# KiCad board Engine.kicad_pcb
title: Fets & Crosses Engine; date: 2022-02-07; rev: v1.1; company: Philipp Schilk
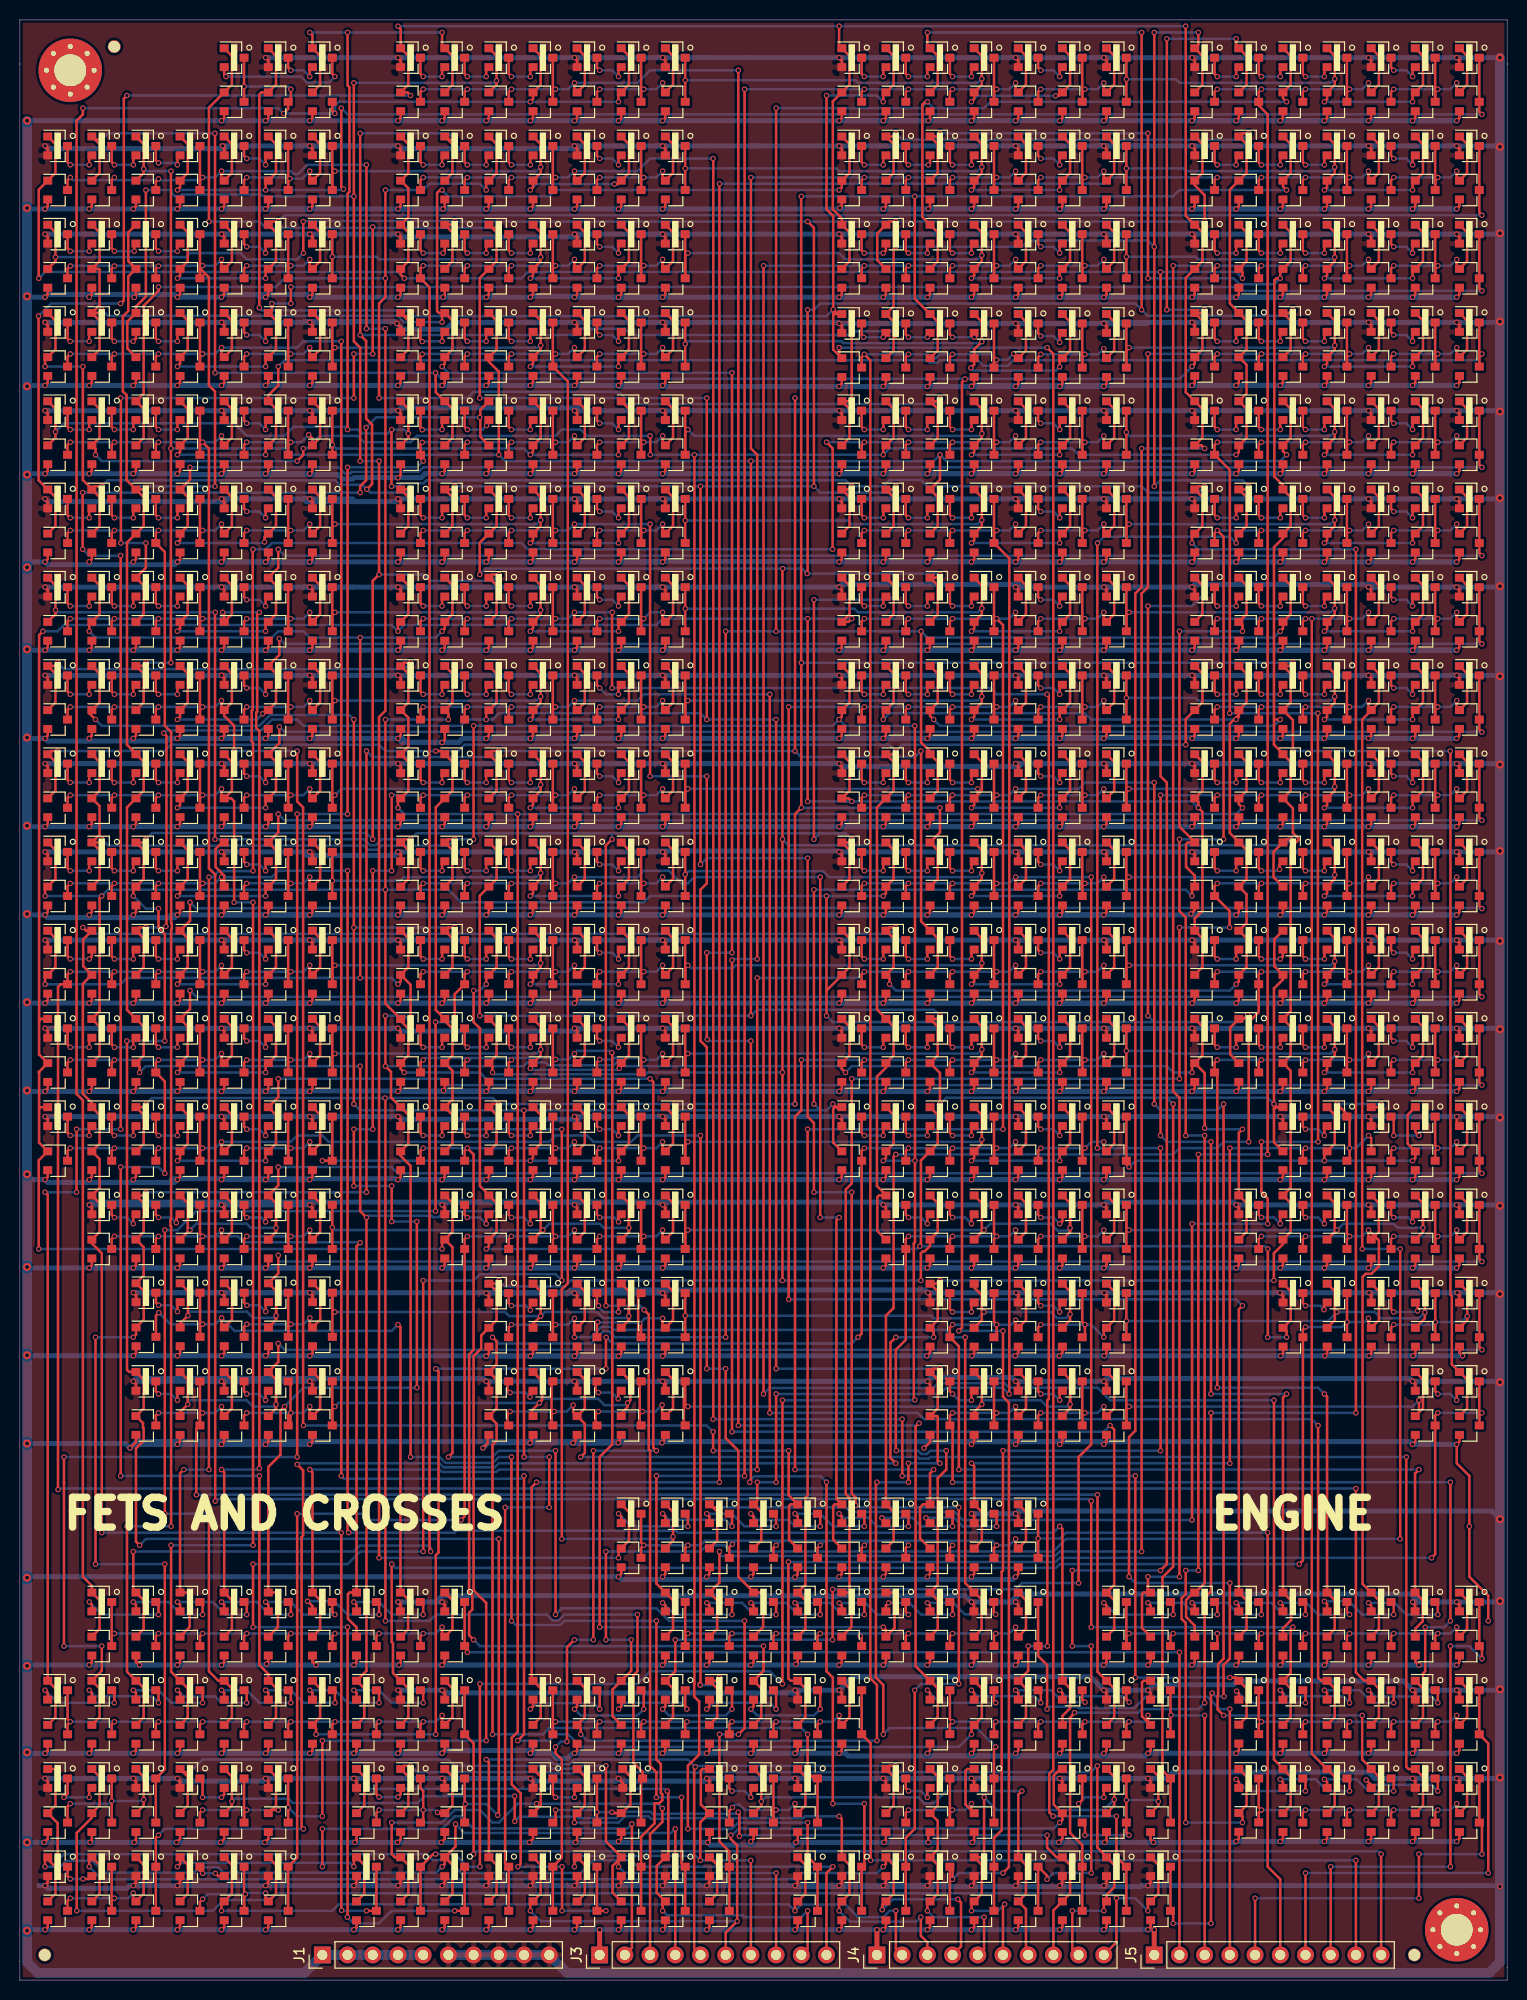
[diagram p0: board, top side]
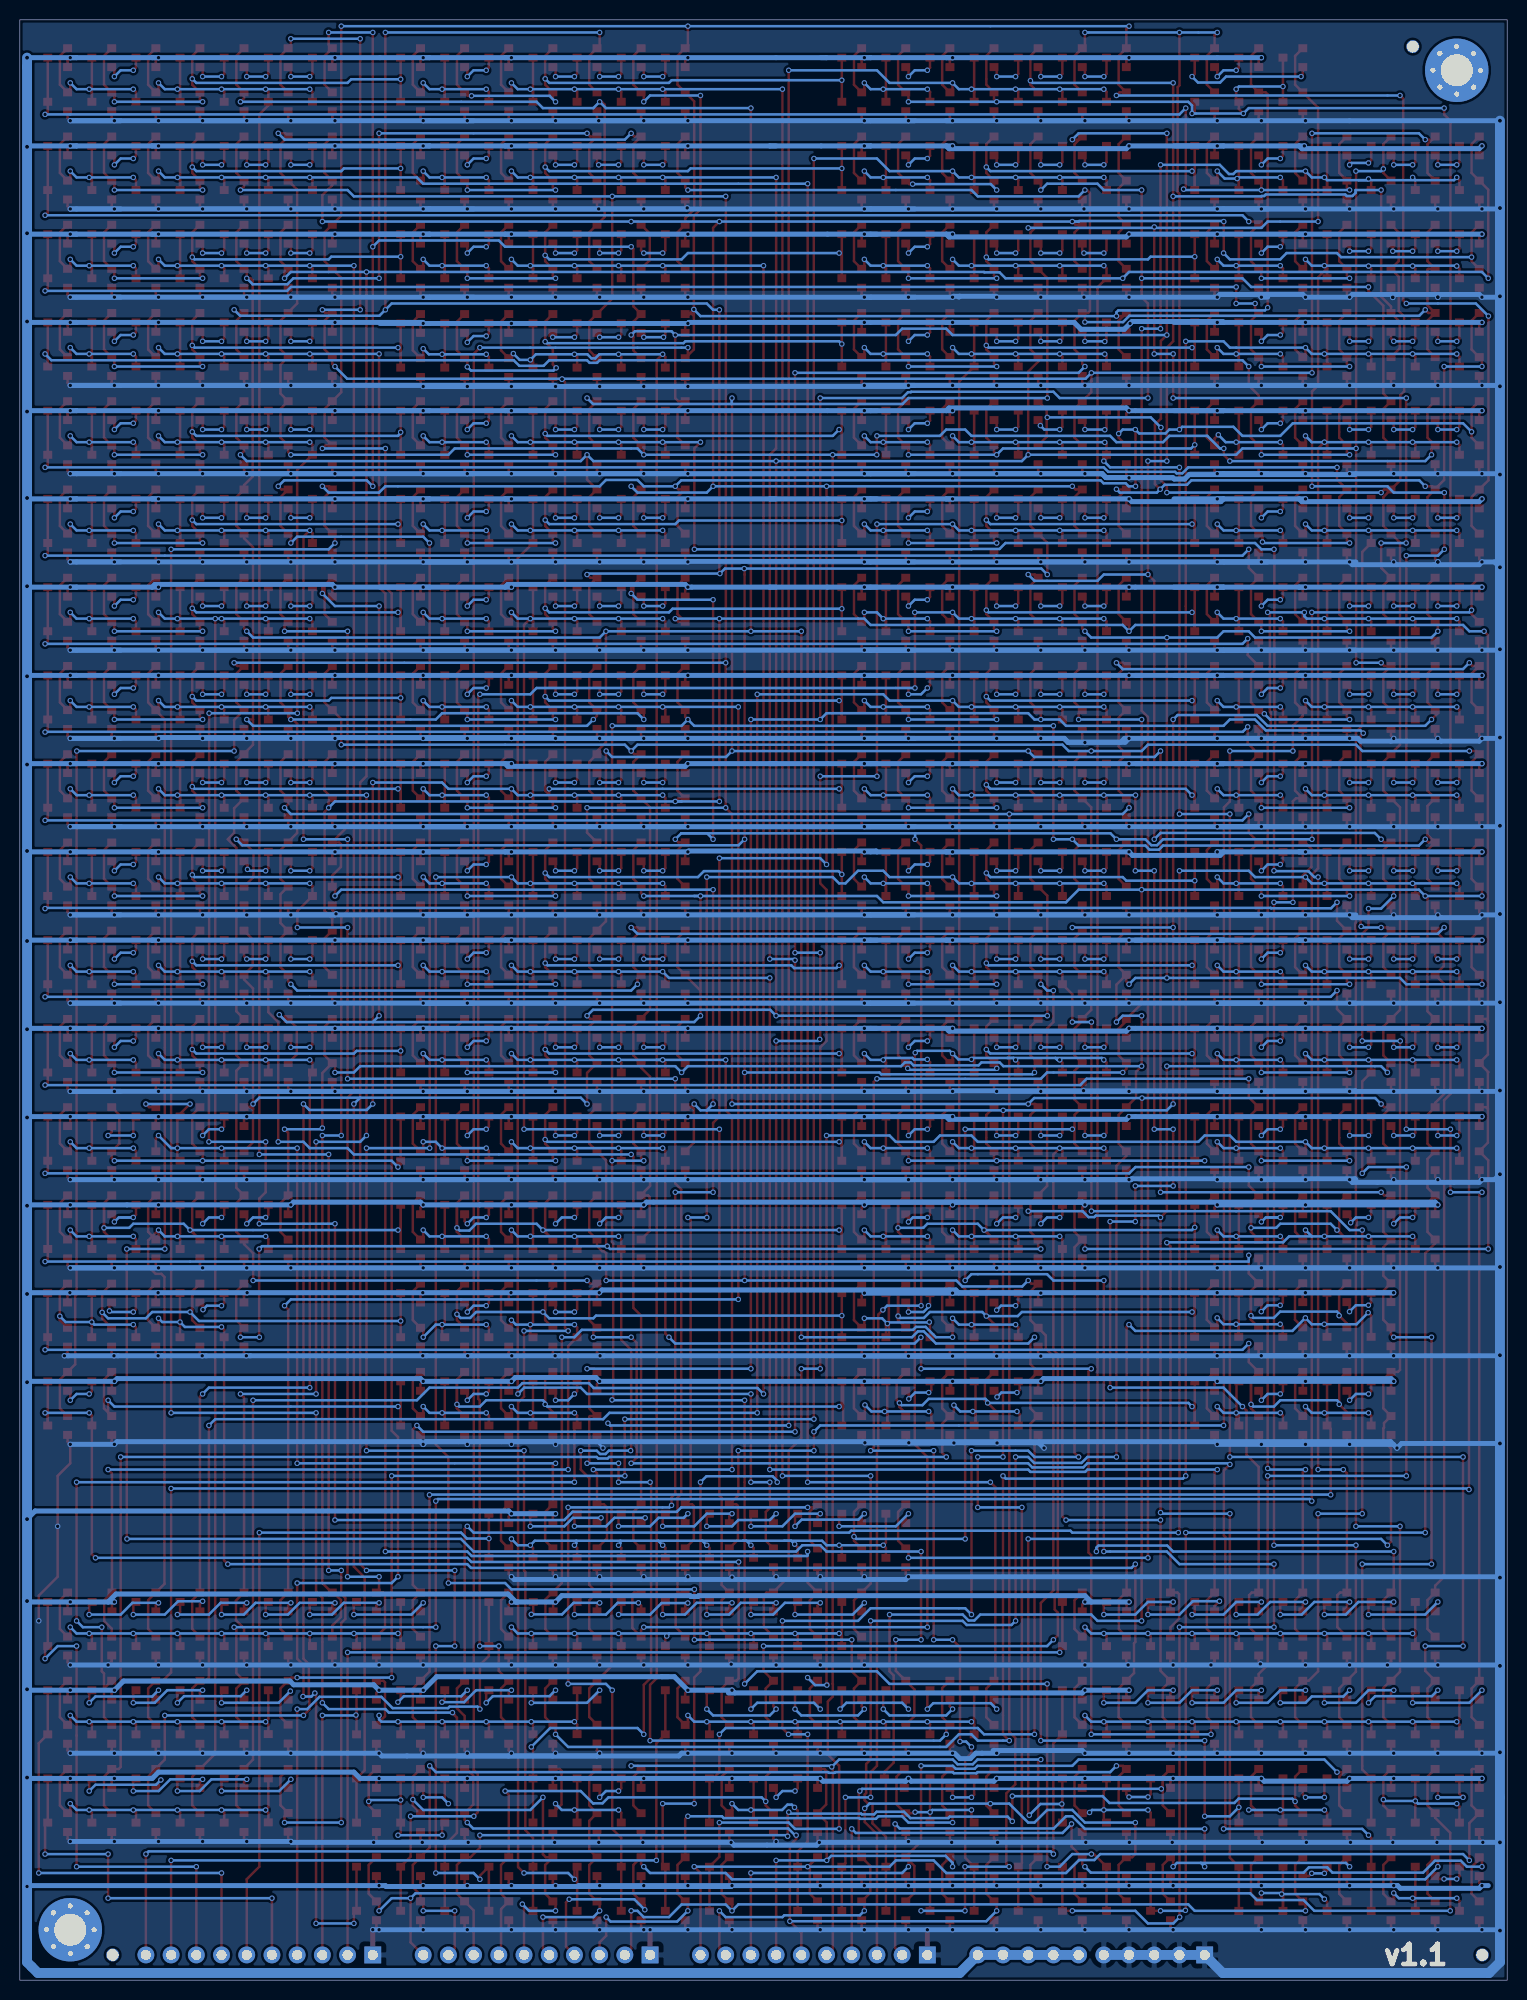
[diagram p1: board, bottom side, seen from below]

Outline 149.86 x 197.48 mm; copper layers: Top, Bottom. Coordinates in mm from the lower left corner of the outline.
Outline path: 0,197.48 0,0 149.86,0 149.86,197.48 0,197.48

## Placement (name value [footprint] x y rotation side)
H1  MountingHole  [MountingHole_3.2mm_M3_Pad_Via]  144.78 5.08 0 top
H2  MountingHole  [MountingHole_3.2mm_M3_Pad_Via]  5.08 192.41 0 top
H3  Tooling Hole  [jlcpcb_tooling_hole]  140.51 2.54 0 top
H4  Tooling Hole  [jlcpcb_tooling_hole]  2.51 2.54 0 top
H5  Tooling Hole  [jlcpcb_tooling_hole]  9.51 194.79 0 top
J1  Power  [PinHeader_1x10_P2.54mm_Vertical]  30.48 2.54 90 top
J3  P1  [PinHeader_1x10_P2.54mm_Vertical]  58.42 2.54 90 top
J4  P2  [PinHeader_1x10_P2.54mm_Vertical]  86.36 2.54 90 top
J5  Move  [PinHeader_1x10_P2.54mm_Vertical]  114.3 2.54 90 top
Q1  BSS84  [SOT-23-P]  70.48 11.43 0 top
Q2  2N7002  [SOT-23-N]  70.48 6.98 0 top
Q3  BSS84  [SOT-23-P]  66.04 11.43 0 top
Q4  2N7002  [SOT-23-N]  66.04 6.98 0 top
Q5  BSS84  [SOT-23-P]  61.59 11.43 0 top
Q6  2N7002  [SOT-23-N]  61.59 6.98 0 top
Q7  BSS84  [SOT-23-P]  57.15 11.43 0 top
Q8  2N7002  [SOT-23-N]  57.15 6.98 0 top
Q9  BSS84  [SOT-23-P]  52.7 11.43 0 top
Q10  2N7002  [SOT-23-N]  52.7 6.98 0 top
Q11  BSS84  [SOT-23-P]  48.26 11.43 0 top
Q12  2N7002  [SOT-23-N]  48.26 6.98 0 top
Q13  BSS84  [SOT-23-P]  43.81 11.43 0 top
Q14  2N7002  [SOT-23-N]  43.81 6.98 0 top
Q15  BSS84  [SOT-23-P]  39.37 11.43 0 top
Q16  2N7002  [SOT-23-N]  39.37 6.98 0 top
Q17  BSS84  [SOT-23-P]  34.92 11.43 0 top
Q18  2N7002  [SOT-23-N]  34.92 6.98 0 top
Q19  BSS84  [SOT-23-P]  114.94 11.43 0 top
Q20  2N7002  [SOT-23-N]  114.94 6.98 0 top
Q21  BSS84  [SOT-23-P]  110.49 11.43 0 top
Q22  2N7002  [SOT-23-N]  110.49 6.98 0 top
Q23  BSS84  [SOT-23-P]  106.05 11.43 0 top
Q24  2N7002  [SOT-23-N]  106.05 6.98 0 top
Q25  BSS84  [SOT-23-P]  101.6 11.43 0 top
Q26  2N7002  [SOT-23-N]  101.6 6.98 0 top
Q27  BSS84  [SOT-23-P]  97.16 11.43 0 top
Q28  2N7002  [SOT-23-N]  97.16 6.98 0 top
Q29  BSS84  [SOT-23-P]  92.71 11.43 0 top
Q30  2N7002  [SOT-23-N]  92.71 6.98 0 top
Q31  BSS84  [SOT-23-P]  88.27 11.43 0 top
Q32  2N7002  [SOT-23-N]  88.27 6.98 0 top
Q33  BSS84  [SOT-23-P]  83.82 11.43 0 top
Q34  2N7002  [SOT-23-N]  83.82 6.98 0 top
Q35  BSS84  [SOT-23-P]  79.38 11.43 0 top
Q36  2N7002  [SOT-23-N]  79.38 6.98 0 top
Q37  BSS84  [SOT-23-P]  12.7 20.32 0 top
Q38  2N7002  [SOT-23-N]  12.7 15.88 0 top
Q39  2N7002  [SOT-23-N]  3.81 15.88 0 top
Q40  BSS84  [SOT-23-P]  3.81 20.32 0 top
Q41  BSS84  [SOT-23-P]  8.26 20.32 0 top
Q42  2N7002  [SOT-23-N]  8.26 15.88 0 top
Q43  BSS84  [SOT-23-P]  43.81 20.32 0 top
Q44  2N7002  [SOT-23-N]  43.81 15.88 0 top
Q45  2N7002  [SOT-23-N]  34.92 15.88 0 top
Q46  BSS84  [SOT-23-P]  34.92 20.32 0 top
Q47  BSS84  [SOT-23-P]  39.37 20.32 0 top
Q48  2N7002  [SOT-23-N]  39.37 15.88 0 top
Q49  BSS84  [SOT-23-P]  26.03 20.32 0 top
Q50  2N7002  [SOT-23-N]  26.03 15.88 0 top
Q51  2N7002  [SOT-23-N]  17.14 15.88 0 top
Q52  BSS84  [SOT-23-P]  17.14 20.32 0 top
Q53  BSS84  [SOT-23-P]  21.59 20.32 0 top
Q54  2N7002  [SOT-23-N]  21.59 15.88 0 top
Q55  BSS84  [SOT-23-P]  79.38 20.32 0 top
Q56  2N7002  [SOT-23-N]  79.38 15.88 0 top
Q57  2N7002  [SOT-23-N]  70.48 15.88 0 top
Q58  BSS84  [SOT-23-P]  70.48 20.32 0 top
Q59  BSS84  [SOT-23-P]  74.93 20.32 0 top
Q60  2N7002  [SOT-23-N]  74.93 15.88 0 top
Q61  BSS84  [SOT-23-P]  114.94 20.32 0 top
Q62  2N7002  [SOT-23-N]  114.94 15.88 0 top
Q63  2N7002  [SOT-23-N]  106.05 15.88 0 top
Q64  BSS84  [SOT-23-P]  106.05 20.32 0 top
Q65  BSS84  [SOT-23-P]  110.49 20.32 0 top
Q66  2N7002  [SOT-23-N]  110.49 15.88 0 top
Q67  BSS84  [SOT-23-P]  97.16 20.32 0 top
Q68  2N7002  [SOT-23-N]  97.16 15.88 0 top
Q69  2N7002  [SOT-23-N]  88.27 15.88 0 top
Q70  BSS84  [SOT-23-P]  88.27 20.32 0 top
Q71  BSS84  [SOT-23-P]  92.71 20.32 0 top
Q72  2N7002  [SOT-23-N]  92.71 15.88 0 top
Q73  BSS84  [SOT-23-P]  12.7 11.43 0 top
Q74  2N7002  [SOT-23-N]  12.7 6.98 0 top
Q75  2N7002  [SOT-23-N]  3.81 6.98 0 top
Q76  BSS84  [SOT-23-P]  3.81 11.43 0 top
Q77  BSS84  [SOT-23-P]  8.26 11.43 0 top
Q78  2N7002  [SOT-23-N]  8.26 6.98 0 top
Q79  BSS84  [SOT-23-P]  61.75 20.32 0 top
Q80  2N7002  [SOT-23-N]  61.59 15.88 0 top
Q81  2N7002  [SOT-23-N]  52.7 15.88 0 top
Q82  BSS84  [SOT-23-P]  52.7 20.32 0 top
Q83  BSS84  [SOT-23-P]  57.15 20.32 0 top
Q84  2N7002  [SOT-23-N]  57.15 15.88 0 top
Q85  BSS84  [SOT-23-P]  26.03 11.43 0 top
Q86  2N7002  [SOT-23-N]  26.03 6.98 0 top
Q87  2N7002  [SOT-23-N]  17.14 6.98 0 top
Q88  BSS84  [SOT-23-P]  17.14 11.43 0 top
Q89  BSS84  [SOT-23-P]  21.59 11.43 0 top
Q90  2N7002  [SOT-23-N]  21.59 6.98 0 top
Q91  2N7002  [SOT-23-N]  132.72 24.76 0 top
Q92  BSS84  [SOT-23-P]  141.6 29.21 0 top
Q93  BSS84  [SOT-23-P]  137.16 29.21 0 top
Q94  2N7002  [SOT-23-N]  141.6 24.76 0 top
Q95  2N7002  [SOT-23-N]  128.27 24.76 0 top
Q96  BSS84  [SOT-23-P]  132.72 29.21 0 top
Q97  BSS84  [SOT-23-P]  128.27 29.21 0 top
Q98  BSS84  [SOT-23-P]  123.83 29.21 0 top
Q99  2N7002  [SOT-23-N]  137.16 24.76 0 top
Q100  2N7002  [SOT-23-N]  123.83 24.78 0 top
Q101  BSS84  [SOT-23-P]  146.05 29.21 0 top
Q102  2N7002  [SOT-23-N]  146.05 24.76 0 top
Q103  BSS84  [SOT-23-P]  141.58 38.1 0 top
Q104  BSS84  [SOT-23-P]  137.16 38.1 0 top
Q105  2N7002  [SOT-23-N]  132.72 33.66 0 top
Q106  2N7002  [SOT-23-N]  119.38 33.66 0 top
Q107  BSS84  [SOT-23-P]  132.72 38.1 0 top
Q108  BSS84  [SOT-23-P]  128.27 38.1 0 top
Q109  BSS84  [SOT-23-P]  123.83 38.1 0 top
Q110  2N7002  [SOT-23-N]  141.6 33.66 0 top
Q111  2N7002  [SOT-23-N]  128.27 33.66 0 top
Q112  2N7002  [SOT-23-N]  114.94 33.66 0 top
Q113  BSS84  [SOT-23-P]  119.38 38.1 0 top
Q114  BSS84  [SOT-23-P]  114.94 38.1 0 top
Q115  BSS84  [SOT-23-P]  110.49 38.1 0 top
Q116  2N7002  [SOT-23-N]  137.16 33.66 0 top
Q117  2N7002  [SOT-23-N]  123.83 33.66 0 top
Q118  2N7002  [SOT-23-N]  110.49 33.66 0 top
Q119  BSS84  [SOT-23-P]  146.05 38.1 0 top
Q120  2N7002  [SOT-23-N]  146.05 33.66 0 top
Q121  BSS84  [SOT-23-P]  101.6 46.99 0 top
Q122  2N7002  [SOT-23-N]  101.6 42.54 0 top
Q123  BSS84  [SOT-23-P]  97.16 46.99 0 top
Q124  BSS84  [SOT-23-P]  92.71 46.99 0 top
Q125  BSS84  [SOT-23-P]  88.27 46.99 0 top
Q126  2N7002  [SOT-23-N]  97.16 42.54 0 top
Q127  2N7002  [SOT-23-N]  83.82 42.54 0 top
Q128  2N7002  [SOT-23-N]  70.48 42.54 0 top
Q129  BSS84  [SOT-23-P]  83.82 46.99 0 top
Q130  BSS84  [SOT-23-P]  79.38 46.99 0 top
Q131  BSS84  [SOT-23-P]  74.93 46.99 0 top
Q132  2N7002  [SOT-23-N]  92.71 42.54 0 top
Q133  2N7002  [SOT-23-N]  79.38 42.54 0 top
Q134  2N7002  [SOT-23-N]  66.04 42.54 0 top
Q135  BSS84  [SOT-23-P]  70.48 46.99 0 top
Q136  BSS84  [SOT-23-P]  66.04 46.99 0 top
Q137  BSS84  [SOT-23-P]  61.59 46.99 0 top
Q138  2N7002  [SOT-23-N]  88.27 42.54 0 top
Q139  2N7002  [SOT-23-N]  74.93 42.54 0 top
Q140  2N7002  [SOT-23-N]  61.59 42.54 0 top
Q141  2N7002  [SOT-23-N]  132.72 15.88 0 top
Q142  BSS84  [SOT-23-P]  141.6 20.32 0 top
Q143  BSS84  [SOT-23-P]  137.16 20.32 0 top
Q144  2N7002  [SOT-23-N]  141.6 15.88 0 top
Q145  2N7002  [SOT-23-N]  128.27 15.88 0 top
Q146  BSS84  [SOT-23-P]  132.72 20.32 0 top
Q147  BSS84  [SOT-23-P]  128.27 20.32 0 top
Q148  BSS84  [SOT-23-P]  123.83 20.32 0 top
Q149  2N7002  [SOT-23-N]  137.16 15.88 0 top
Q150  2N7002  [SOT-23-N]  123.83 15.89 0 top
Q151  BSS84  [SOT-23-P]  146.05 20.32 0 top
Q152  2N7002  [SOT-23-N]  146.05 15.88 0 top
Q153  BSS84  [SOT-23-P]  97.13 38.1 0 top
Q154  BSS84  [SOT-23-P]  92.71 38.1 0 top
Q155  2N7002  [SOT-23-N]  88.27 33.66 0 top
Q156  2N7002  [SOT-23-N]  74.93 33.66 0 top
Q157  BSS84  [SOT-23-P]  88.27 38.1 0 top
Q158  BSS84  [SOT-23-P]  83.82 38.1 0 top
Q159  BSS84  [SOT-23-P]  79.38 38.1 0 top
Q160  2N7002  [SOT-23-N]  97.16 33.66 0 top
Q161  2N7002  [SOT-23-N]  83.82 33.66 0 top
Q162  2N7002  [SOT-23-N]  70.48 33.66 0 top
Q163  BSS84  [SOT-23-P]  74.93 38.1 0 top
Q164  BSS84  [SOT-23-P]  70.48 38.1 0 top
Q165  BSS84  [SOT-23-P]  66.04 38.1 0 top
Q166  2N7002  [SOT-23-N]  92.71 33.66 0 top
Q167  2N7002  [SOT-23-N]  79.38 33.66 0 top
Q168  2N7002  [SOT-23-N]  66.04 33.66 0 top
Q169  BSS84  [SOT-23-P]  101.6 38.1 0 top
Q170  2N7002  [SOT-23-N]  101.6 33.66 0 top
Q171  BSS84  [SOT-23-P]  79.38 29.21 0 top
Q172  2N7002  [SOT-23-N]  74.93 24.76 0 top
Q173  2N7002  [SOT-23-N]  61.59 24.76 0 top
Q174  BSS84  [SOT-23-P]  74.93 29.21 0 top
Q175  BSS84  [SOT-23-P]  70.48 29.21 0 top
Q176  BSS84  [SOT-23-P]  66.04 29.21 0 top
Q177  2N7002  [SOT-23-N]  70.48 24.76 0 top
Q178  2N7002  [SOT-23-N]  57.15 24.76 0 top
Q179  BSS84  [SOT-23-P]  61.59 29.21 0 top
Q180  BSS84  [SOT-23-P]  57.15 29.21 0 top
Q181  BSS84  [SOT-23-P]  52.7 29.21 0 top
Q182  2N7002  [SOT-23-N]  79.38 24.76 0 top
Q183  2N7002  [SOT-23-N]  66.04 24.76 0 top
Q184  2N7002  [SOT-23-N]  52.7 24.76 0 top
Q185  BSS84  [SOT-23-P]  83.82 29.21 0 top
Q186  2N7002  [SOT-23-N]  83.82 24.76 0 top
Q187  2N7002  [SOT-23-N]  101.6 24.76 0 top
Q188  BSS84  [SOT-23-P]  110.49 29.21 0 top
Q189  BSS84  [SOT-23-P]  106.05 29.21 0 top
Q190  2N7002  [SOT-23-N]  110.49 24.76 0 top
Q191  2N7002  [SOT-23-N]  97.16 24.76 0 top
Q192  BSS84  [SOT-23-P]  101.6 29.21 0 top
Q193  BSS84  [SOT-23-P]  97.16 29.21 0 top
Q194  BSS84  [SOT-23-P]  92.71 29.21 0 top
Q195  2N7002  [SOT-23-N]  106.05 24.76 0 top
Q196  2N7002  [SOT-23-N]  92.71 24.78 0 top
Q197  BSS84  [SOT-23-P]  114.94 29.21 0 top
Q198  2N7002  [SOT-23-N]  114.94 24.76 0 top
Q199  BSS84  [SOT-23-P]  43.81 29.21 0 top
Q200  2N7002  [SOT-23-N]  43.81 24.76 0 top
Q201  BSS84  [SOT-23-P]  39.37 29.21 0 top
Q202  BSS84  [SOT-23-P]  34.92 29.21 0 top
Q203  BSS84  [SOT-23-P]  30.48 29.21 0 top
Q204  2N7002  [SOT-23-N]  39.37 24.76 0 top
Q205  2N7002  [SOT-23-N]  26.03 24.76 0 top
Q206  2N7002  [SOT-23-N]  12.7 24.76 0 top
Q207  BSS84  [SOT-23-P]  26.03 29.21 0 top
Q208  BSS84  [SOT-23-P]  21.59 29.21 0 top
Q209  BSS84  [SOT-23-P]  17.14 29.21 0 top
Q210  2N7002  [SOT-23-N]  34.92 24.76 0 top
Q211  2N7002  [SOT-23-N]  21.59 24.76 0 top
Q212  2N7002  [SOT-23-N]  8.26 24.76 0 top
Q213  BSS84  [SOT-23-P]  12.7 29.21 0 top
Q214  BSS84  [SOT-23-P]  8.26 29.21 0 top
Q215  BSS84  [SOT-23-P]  3.81 29.21 0 top
Q216  2N7002  [SOT-23-N]  30.48 24.76 0 top
Q217  2N7002  [SOT-23-N]  17.14 24.76 0 top
Q218  2N7002  [SOT-23-N]  3.81 24.76 0 top
Q219  BSS84  [SOT-23-P]  39.35 38.1 0 top
Q220  BSS84  [SOT-23-P]  34.92 38.1 0 top
Q221  2N7002  [SOT-23-N]  30.48 33.66 0 top
Q222  2N7002  [SOT-23-N]  17.14 33.66 0 top
Q223  BSS84  [SOT-23-P]  30.48 38.1 0 top
Q224  BSS84  [SOT-23-P]  26.03 38.1 0 top
Q225  BSS84  [SOT-23-P]  21.59 38.1 0 top
Q226  2N7002  [SOT-23-N]  39.37 33.66 0 top
Q227  2N7002  [SOT-23-N]  26.03 33.66 0 top
Q228  2N7002  [SOT-23-N]  12.7 33.66 0 top
Q229  BSS84  [SOT-23-P]  17.14 38.1 0 top
Q230  BSS84  [SOT-23-P]  12.7 38.1 0 top
Q231  BSS84  [SOT-23-P]  8.26 38.1 0 top
Q232  2N7002  [SOT-23-N]  34.92 33.66 0 top
Q233  2N7002  [SOT-23-N]  21.59 33.66 0 top
Q234  2N7002  [SOT-23-N]  8.26 33.66 0 top
Q235  BSS84  [SOT-23-P]  43.81 38.1 0 top
Q236  2N7002  [SOT-23-N]  43.81 33.66 0 top
Q237  BSS84  [SOT-23-P]  146.05 78.1 0 top
Q238  2N7002  [SOT-23-N]  146.05 73.66 0 top
Q239  2N7002  [SOT-23-N]  137.16 73.66 0 top
Q240  BSS84  [SOT-23-P]  137.16 78.1 0 top
Q241  BSS84  [SOT-23-P]  141.6 78.1 0 top
Q242  2N7002  [SOT-23-N]  141.6 73.66 0 top
Q243  2N7002  [SOT-23-N]  123.83 73.66 0 top
Q244  2N7002  [SOT-23-N]  128.27 73.66 0 top
Q245  BSS84  [SOT-23-P]  123.83 78.1 0 top
Q246  BSS84  [SOT-23-P]  128.27 78.1 0 top
Q247  BSS84  [SOT-23-P]  132.72 78.1 0 top
Q248  2N7002  [SOT-23-N]  132.72 73.66 0 top
Q249  BSS84  [SOT-23-P]  30.48 78.1 0 top
Q250  2N7002  [SOT-23-N]  30.48 73.66 0 top
Q251  2N7002  [SOT-23-N]  21.59 73.66 0 top
Q252  BSS84  [SOT-23-P]  21.59 78.1 0 top
Q253  BSS84  [SOT-23-P]  26.03 78.1 0 top
Q254  2N7002  [SOT-23-N]  26.03 73.66 0 top
Q255  2N7002  [SOT-23-N]  8.26 73.66 0 top
Q256  2N7002  [SOT-23-N]  12.7 73.66 0 top
Q257  BSS84  [SOT-23-P]  8.26 78.1 0 top
Q258  BSS84  [SOT-23-P]  12.7 78.1 0 top
Q259  BSS84  [SOT-23-P]  17.14 78.1 0 top
Q260  2N7002  [SOT-23-N]  17.14 73.66 0 top
Q261  BSS84  [SOT-23-P]  66.04 78.1 0 top
Q262  2N7002  [SOT-23-N]  66.04 73.66 0 top
Q263  2N7002  [SOT-23-N]  57.15 73.66 0 top
Q264  BSS84  [SOT-23-P]  57.15 78.1 0 top
Q265  BSS84  [SOT-23-P]  61.59 78.1 0 top
Q266  2N7002  [SOT-23-N]  61.59 73.66 0 top
Q267  2N7002  [SOT-23-N]  43.81 73.66 0 top
Q268  2N7002  [SOT-23-N]  48.26 73.66 0 top
Q269  BSS84  [SOT-23-P]  43.81 78.1 0 top
Q270  BSS84  [SOT-23-P]  48.26 78.1 0 top
Q271  BSS84  [SOT-23-P]  52.7 78.1 0 top
Q272  2N7002  [SOT-23-N]  52.7 73.66 0 top
Q273  BSS84  [SOT-23-P]  110.49 78.1 0 top
Q274  2N7002  [SOT-23-N]  110.49 73.66 0 top
Q275  2N7002  [SOT-23-N]  101.6 73.66 0 top
Q276  BSS84  [SOT-23-P]  101.6 78.1 0 top
Q277  BSS84  [SOT-23-P]  106.05 78.1 0 top
Q278  2N7002  [SOT-23-N]  106.05 73.66 0 top
Q279  2N7002  [SOT-23-N]  88.27 73.66 0 top
Q280  2N7002  [SOT-23-N]  92.71 73.66 0 top
Q281  BSS84  [SOT-23-P]  88.27 78.1 0 top
Q282  BSS84  [SOT-23-P]  92.71 78.1 0 top
Q283  BSS84  [SOT-23-P]  97.16 78.1 0 top
Q284  2N7002  [SOT-23-N]  97.16 73.66 0 top
Q285  BSS84  [SOT-23-P]  30.49 69.25 0 top
Q286  2N7002  [SOT-23-N]  30.49 64.81 0 top
Q287  2N7002  [SOT-23-N]  21.6 64.81 0 top
Q288  BSS84  [SOT-23-P]  21.6 69.25 0 top
Q289  BSS84  [SOT-23-P]  26.05 69.25 0 top
Q290  2N7002  [SOT-23-N]  26.05 64.81 0 top
Q291  2N7002  [SOT-23-N]  12.71 64.81 0 top
Q292  BSS84  [SOT-23-P]  12.71 69.25 0 top
Q293  BSS84  [SOT-23-P]  17.16 69.25 0 top
Q294  2N7002  [SOT-23-N]  17.16 64.81 0 top
Q295  BSS84  [SOT-23-P]  66.04 69.21 0 top
Q296  2N7002  [SOT-23-N]  66.04 64.77 0 top
Q297  2N7002  [SOT-23-N]  57.15 64.77 0 top
Q298  BSS84  [SOT-23-P]  57.15 69.21 0 top
Q299  BSS84  [SOT-23-P]  61.59 69.21 0 top
Q300  2N7002  [SOT-23-N]  61.59 64.77 0 top
Q301  2N7002  [SOT-23-N]  48.26 64.77 0 top
Q302  BSS84  [SOT-23-P]  48.26 69.21 0 top
Q303  BSS84  [SOT-23-P]  52.7 69.21 0 top
Q304  2N7002  [SOT-23-N]  52.7 64.77 0 top
Q305  BSS84  [SOT-23-P]  110.49 69.21 0 top
Q306  2N7002  [SOT-23-N]  110.49 64.77 0 top
Q307  2N7002  [SOT-23-N]  101.6 64.77 0 top
Q308  BSS84  [SOT-23-P]  101.6 69.21 0 top
Q309  BSS84  [SOT-23-P]  106.05 69.21 0 top
Q310  2N7002  [SOT-23-N]  106.05 64.77 0 top
Q311  2N7002  [SOT-23-N]  92.71 64.77 0 top
Q312  BSS84  [SOT-23-P]  92.71 69.21 0 top
Q313  BSS84  [SOT-23-P]  97.16 69.21 0 top
Q314  2N7002  [SOT-23-N]  97.16 64.77 0 top
Q315  BSS84  [SOT-23-P]  146.06 69.21 0 top
Q316  2N7002  [SOT-23-N]  146.06 64.77 0 top
Q317  2N7002  [SOT-23-N]  137.17 64.77 0 top
Q318  BSS84  [SOT-23-P]  137.17 69.21 0 top
Q319  BSS84  [SOT-23-P]  141.62 69.21 0 top
Q320  2N7002  [SOT-23-N]  141.62 64.77 0 top
Q321  2N7002  [SOT-23-N]  128.28 64.77 0 top
Q322  BSS84  [SOT-23-P]  128.28 69.21 0 top
Q323  BSS84  [SOT-23-P]  132.73 69.21 0 top
Q324  2N7002  [SOT-23-N]  132.73 64.77 0 top
Q325  BSS84  [SOT-23-P]  30.48 60.32 0 top
Q326  2N7002  [SOT-23-N]  30.48 55.88 0 top
Q327  2N7002  [SOT-23-N]  21.59 55.88 0 top
Q328  BSS84  [SOT-23-P]  21.59 60.32 0 top
Q329  BSS84  [SOT-23-P]  26.03 60.32 0 top
Q330  2N7002  [SOT-23-N]  26.03 55.88 0 top
Q331  2N7002  [SOT-23-N]  12.7 55.88 0 top
Q332  BSS84  [SOT-23-P]  12.7 60.32 0 top
Q333  BSS84  [SOT-23-P]  17.14 60.32 0 top
Q334  2N7002  [SOT-23-N]  17.14 55.88 0 top
Q335  BSS84  [SOT-23-P]  110.49 60.32 0 top
Q336  2N7002  [SOT-23-N]  110.49 55.88 0 top
Q337  2N7002  [SOT-23-N]  101.6 55.88 0 top
Q338  BSS84  [SOT-23-P]  101.6 60.32 0 top
Q339  BSS84  [SOT-23-P]  106.05 60.32 0 top
Q340  2N7002  [SOT-23-N]  106.05 55.88 0 top
Q341  2N7002  [SOT-23-N]  92.71 55.88 0 top
Q342  BSS84  [SOT-23-P]  92.71 60.32 0 top
Q343  BSS84  [SOT-23-P]  97.16 60.32 0 top
Q344  2N7002  [SOT-23-N]  97.16 55.88 0 top
Q345  BSS84  [SOT-23-P]  66.04 60.32 0 top
Q346  2N7002  [SOT-23-N]  66.04 55.88 0 top
Q347  2N7002  [SOT-23-N]  57.15 55.88 0 top
Q348  BSS84  [SOT-23-P]  57.15 60.32 0 top
Q349  BSS84  [SOT-23-P]  61.59 60.32 0 top
Q350  2N7002  [SOT-23-N]  61.59 55.88 0 top
Q351  2N7002  [SOT-23-N]  48.26 55.88 0 top
Q352  BSS84  [SOT-23-P]  48.26 60.32 0 top
Q353  BSS84  [SOT-23-P]  52.7 60.32 0 top
Q354  2N7002  [SOT-23-N]  52.7 55.88 0 top
Q355  2N7002  [SOT-23-N]  141.6 55.88 0 top
Q356  BSS84  [SOT-23-P]  141.6 60.32 0 top
Q357  BSS84  [SOT-23-P]  146.05 60.32 0 top
Q358  2N7002  [SOT-23-N]  146.05 55.88 0 top
Q359  2N7002  [SOT-23-N]  3.81 82.55 0 top
Q360  2N7002  [SOT-23-N]  8.26 82.55 0 top
Q361  BSS84  [SOT-23-P]  3.81 86.99 0 top
Q362  BSS84  [SOT-23-P]  8.26 86.99 0 top
Q363  BSS84  [SOT-23-P]  12.7 86.99 0 top
Q364  BSS84  [SOT-23-P]  17.14 86.99 0 top
Q365  2N7002  [SOT-23-N]  12.7 82.55 0 top
Q366  2N7002  [SOT-23-N]  17.14 82.55 0 top
Q367  BSS84  [SOT-23-P]  30.48 86.99 0 top
Q368  2N7002  [SOT-23-N]  30.48 82.55 0 top
Q369  2N7002  [SOT-23-N]  21.59 82.55 0 top
Q370  BSS84  [SOT-23-P]  21.59 86.99 0 top
Q371  BSS84  [SOT-23-P]  26.03 86.99 0 top
Q372  2N7002  [SOT-23-N]  26.03 82.55 0 top
Q373  2N7002  [SOT-23-N]  39.37 82.55 0 top
Q374  2N7002  [SOT-23-N]  43.81 82.55 0 top
Q375  BSS84  [SOT-23-P]  39.37 86.99 0 top
Q376  BSS84  [SOT-23-P]  43.81 86.99 0 top
Q377  BSS84  [SOT-23-P]  48.26 86.99 0 top
Q378  BSS84  [SOT-23-P]  52.7 86.99 0 top
Q379  2N7002  [SOT-23-N]  48.26 82.55 0 top
Q380  2N7002  [SOT-23-N]  52.7 82.55 0 top
Q381  BSS84  [SOT-23-P]  66.04 86.99 0 top
Q382  2N7002  [SOT-23-N]  66.04 82.55 0 top
Q383  2N7002  [SOT-23-N]  57.15 82.55 0 top
Q384  BSS84  [SOT-23-P]  57.15 86.99 0 top
Q385  BSS84  [SOT-23-P]  61.59 86.99 0 top
Q386  2N7002  [SOT-23-N]  61.59 82.55 0 top
Q387  2N7002  [SOT-23-N]  83.82 82.55 0 top
Q388  2N7002  [SOT-23-N]  88.27 82.55 0 top
Q389  BSS84  [SOT-23-P]  83.82 86.99 0 top
Q390  BSS84  [SOT-23-P]  88.27 86.99 0 top
Q391  BSS84  [SOT-23-P]  92.71 86.99 0 top
Q392  BSS84  [SOT-23-P]  97.16 86.99 0 top
Q393  2N7002  [SOT-23-N]  92.71 82.55 0 top
Q394  2N7002  [SOT-23-N]  97.16 82.55 0 top
Q395  BSS84  [SOT-23-P]  110.49 86.99 0 top
Q396  2N7002  [SOT-23-N]  110.49 82.55 0 top
Q397  2N7002  [SOT-23-N]  101.6 82.55 0 top
Q398  BSS84  [SOT-23-P]  101.6 86.99 0 top
Q399  BSS84  [SOT-23-P]  106.05 86.99 0 top
Q400  2N7002  [SOT-23-N]  106.05 82.55 0 top
Q401  BSS84  [SOT-23-P]  146.05 86.99 0 top
Q402  2N7002  [SOT-23-N]  146.05 82.55 0 top
Q403  2N7002  [SOT-23-N]  137.16 82.55 0 top
Q404  BSS84  [SOT-23-P]  137.16 86.99 0 top
Q405  BSS84  [SOT-23-P]  141.6 86.99 0 top
Q406  2N7002  [SOT-23-N]  141.6 82.55 0 top
Q407  2N7002  [SOT-23-N]  128.27 82.55 0 top
Q408  BSS84  [SOT-23-P]  128.27 86.99 0 top
Q409  BSS84  [SOT-23-P]  132.72 86.99 0 top
Q410  2N7002  [SOT-23-N]  132.72 82.55 0 top
Q411  2N7002  [SOT-23-N]  83.82 100.33 0 top
Q412  2N7002  [SOT-23-N]  88.27 100.33 0 top
Q413  BSS84  [SOT-23-P]  83.82 104.77 0 top
Q414  BSS84  [SOT-23-P]  88.27 104.77 0 top